# Altium PCB GBA_V1.PcbDoc (part 3 of 4) (continued)
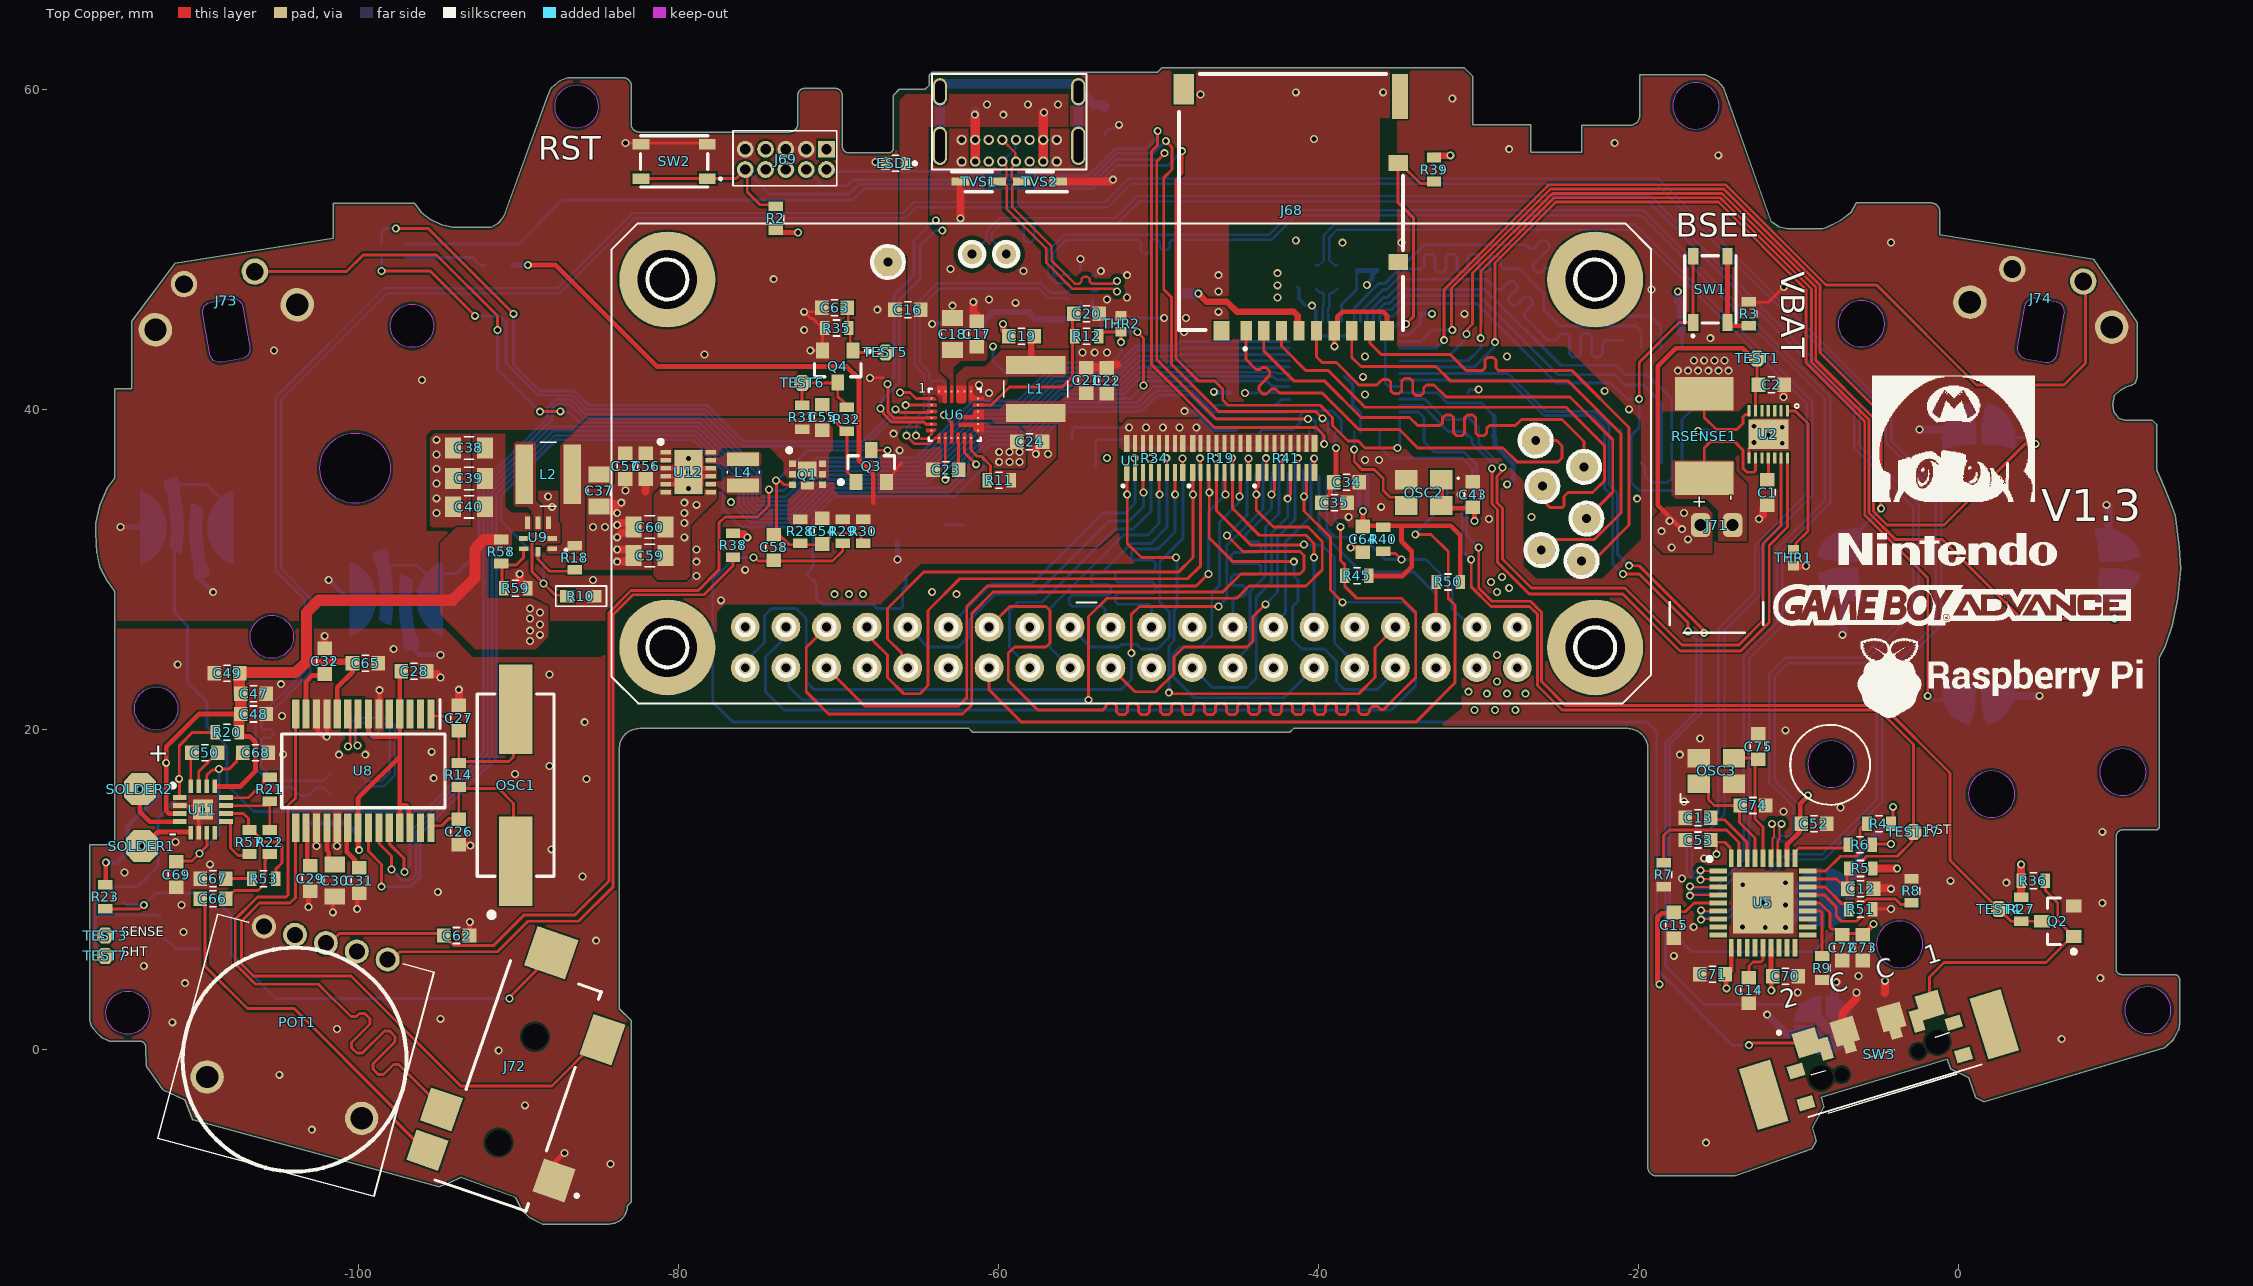
[diagram p0: Top Copper view]
## Nets (pads, with @x,y where several pads share a name; then routed paths per layer and width w, separated by ;. In a path a pad name is that pad's centre, name@x,y a point inside that pad or via, vN(x,y) a via of type N, cw(c..) or ccw(c..) an arc to the next point about the centre after c; other vN are vias at no path point) (continued)
DG_7: FPC1.27 R19.8 U1.35 | length 55.8
  Top Copper w0.18: U1.35@-70.739,26.392 -72.009,25.122 -72.009,22.352 -70.612,20.955 -62.23,20.955 -61.659,21.526 -61.659,27.241 -60.325,28.575 -45.974,28.575 -44.831,29.718 -41.148,29.718 -40.894,29.972 -40.894,30.861 -41.148,31.115 -44.704,31.115 v2(-45.707,32.118) ; v2(-44.366,36.923) -44.359,36.916 -44.359,36.068 R19.8@-44.351,36.06
  Bottom Copper w0.18: v2(-45.707,32.118) -44.446,33.378 -44.446,36.756 -44.366,36.836 v2(-44.366,36.923)
DR_0: FPC1.28 R41.1 U1.38 | length 51.8
  Top Copper w0.18: v2(-54.356,21.844) -54.356,27.051 -53.213,28.194 -45.085,28.194 -44.323,28.956 -40.767,28.956 -39.751,29.972 -39.751,31.75 -40.64,32.639 -42.799,32.639 -43.876,33.716 -43.876,35.047 -43.737,35.186 R41.1@-43.737,36.06
  Bottom Copper w0.18: U1.38@-73.279,23.852 -73.101,23.674 -73.101,22.682 -72.263,21.844 v2(-54.356,21.844) ; FPC1.28@-43.942,35.936 -43.942,34.824 -43.876,34.758 v2(-43.876,34.671)
DR_1: FPC1.29 R41.2 U1.40 | length 52.7
  Top Copper w0.18: v2(-51.689,24.765) -51.689,27.178 -51.181,27.686 v2(-46.228,27.686) ; v2(-43.274,36.945) -43.249,36.92 -43.249,36.072 R41.2@-43.237,36.06 R41.2@-43.225,36.048
  Bottom Copper w0.18: U1.40@-75.819,23.852 -75.819,24.234 -74.618,25.435 -74.618,27.109 -74.168,27.559 -72.644,27.559 -72.009,26.924 -72.009,22.987 -71.501,22.479 -52.324,22.479 -51.689,23.114 v2(-51.689,24.765) ; v2(-46.228,27.686) -45.72,28.194 -45.72,31.496 -43.446,33.77 FPC1.29@-43.446,35.782 ; FPC1.29@-43.446,35.794 FPC1.29@-43.446,35.782 ; v2(-43.274,36.945) -43.274,36.864 -43.446,36.691 -43.446,35.817 -43.411,35.782 FPC1.29@-43.446,35.782
DR_2: FPC1.30 R41.3 U1.15 | length 18.6
  Top Copper w0.18: v2(-42.926,34.671) -42.926,34.758 -42.737,34.947 R41.3@-42.737,36.036
  Bottom Copper w0.18: U1.15@-45.339,26.392 -45.339,27.356 -45.339,28.134 -45.167,28.306 -44.701,28.306 -44.529,28.478 -44.529,28.822 -44.701,28.994 -45.278,28.994 -45.45,29.166 -45.45,29.51 -45.278,29.682 -43.77,29.682 -43.598,29.854 -43.598,30.198 -43.77,30.37 -45.278,30.37 -45.45,30.542 -45.45,30.886 -45.278,31.058 -43.749,31.058 -43.577,31.23 -43.577,31.574 -43.749,31.746 -44.376,31.746 -44.548,31.918 -44.548,32.161 -43.961,32.748 -42.926,33.783 v2(-42.926,34.671) -42.936,34.681 -42.936,35.784 FPC1.30@-42.946,35.794
DR_3: FPC1.31 R41.4 U1.16 | length 15.3
  Top Copper w0.18: v2(-42.274,36.945) -42.249,36.92 -42.249,36.072 R41.4@-42.237,36.06 R41.4@-42.225,36.048
  Bottom Copper w0.18: U1.16@-45.339,23.852 -45.339,24.13 -44.259,25.21 -44.259,28.639 -43.307,29.591 -43.307,32.639 -42.446,33.5 FPC1.31@-42.446,35.794 -42.446,36.691 -42.274,36.864 v2(-42.274,36.945)
DR_4: FPC1.32 R41.5 U1.18 | length 20.1
  Top Copper w0.18: v2(-41.91,34.417) -41.91,34.504 -41.737,34.677 -41.737,36.036 R41.5@-41.725,36.048
  Bottom Copper w0.18: U1.18@-47.879,23.852 -46.633,22.606 -44.45,22.606 -43.879,23.177 -43.879,28.257 -42.926,29.21 -42.926,32.258 -41.91,33.274 v2(-41.91,34.417) FPC1.32@-41.91,36.013
DR_5: FPC1.33 R41.6 U1.22 | length 25
  Top Copper w0.18: U1.22@-52.959,23.852 -51.459,22.352 -50.165,22.352 -49.022,23.495 -49.022,24.511 -48.387,25.146 -44.45,25.146 -44.069,25.527 -44.069,27.051 v2(-43.307,27.813) ; v2(-41.274,36.945) -41.249,36.92 -41.249,36.072 R41.6@-41.237,36.06 R41.6@-41.225,36.048
  Bottom Copper w0.18: v2(-43.307,27.813) -42.545,28.575 -42.545,32.004 -41.446,33.103 -41.446,35.782 -41.411,35.782 -41.446,35.817 -41.446,36.691 -41.274,36.864 v2(-41.274,36.945)
DR_6: FPC1.34 R41.7 U1.37 | length 66.5
  Top Copper w0.18: R41.7@-40.725,36.048 -40.737,36.036 -40.737,34.788 -40.894,34.631 v2(-40.894,34.544) -40.894,33.655 -39.243,32.004 -39.243,28.702 v2(-38.481,27.94)
  Bottom Copper w0.18: U1.37@-73.279,26.392 -73.589,26.082 -73.589,25.471 -74.549,24.511 -74.549,22.352 -73.406,21.209 -35.433,21.209 -33.909,22.733 -33.909,27.178 -34.671,27.94 v2(-38.481,27.94) ; FPC1.34@-40.946,36.212 -40.92,36.186 -40.92,34.57 v2(-40.894,34.544)
DR_7: FPC1.35 R41.8 U1.13 | length 12.5
  Top Copper w0.18: v2(-40.252,36.923) -40.245,36.916 -40.245,36.068 R41.8@-40.237,36.06
  Bottom Copper w0.18: U1.13@-42.799,26.392 -42.799,26.523 -42.037,27.285 -42.037,31.75 -40.446,33.341 FPC1.35@-40.446,35.794 -40.411,35.794 -40.446,35.829 -40.446,36.67 -40.252,36.864 v2(-40.252,36.923)
DR_DAC_N: R16.2 U8.8 | length 12.4
  Top Copper w0.15: U8.8@-100.17,20.799 -100.17,20.046 -100.18,20.036 -100.18,19.46 -100.18,19.117 v1(-100.048,18.985)
  Bottom Copper w0.15: v1(-100.048,18.985) -100.048,19.079 -100.217,19.248 -100.217,20.156 -99.99,20.383 -99.953,20.383 -99.374,20.383 -99.248,20.257 -99.248,19.527 -99.122,19.401 -98.87,19.401 -98.744,19.527 -98.744,20.257 -98.618,20.383 -98.361,20.383 -98.298,20.32 -98.044,20.066 -98.044,17.272 -98.553,16.763 -99.525,16.763 -99.613,16.851 -99.613,16.908 -99.938,17.233 R16.2@-99.988,17.233
DR_DAC_P: R17.2 U8.9 | length 12.7
  Top Copper w0.15: U8.9@-100.67,21.076 U8.9@-100.606,21.013 ; v1(-100.658,18.923) -100.51,19.071 -100.51,19.824 -100.51,20.036 -100.52,20.046 U8.9@-100.52,20.936
  Bottom Copper w0.15: v1(-100.658,18.923) -100.658,19.018 -100.547,19.129 -100.547,20.293 -100.51,20.33 -100.127,20.713 -98.224,20.713 -97.714,20.203 -97.714,17.135 -98.416,16.433 -99.525,16.433 -99.613,16.345 -99.613,16.288 -99.938,15.963 R17.2@-99.988,15.963
ENBST: R13.2 U3.34 U6.8 U7.9 | length 35
  Top Copper w0.18: U6.8@-63.315,38.214 -63.315,35.622 v1(-63.313,35.62) ; v2(-51.308,44.831) -50.917,44.44 -50.917,41.508 v2(-50.926,41.499)
  Bottom Copper w0.18: v1(-63.313,35.62) -63.295,35.638 -63.295,36.14 -60.812,38.623 -58.027,38.623 -55.962,40.688 -51.738,40.688 v2(-50.926,41.499) ; U7.9@-54.123,46.875 -54.123,46.03 -53.813,45.72 -53.809,45.72 -53.594,45.505 -53.594,45.085 -53.415,44.906 -52.12,44.906 -52.045,44.831 v2(-51.308,44.831) ; v2@-50.916,41.529 -50.662,41.783 -43.217,41.783 -42.871,41.437 U3.34@-41.804,41.437
GPIO_2: FPC1.37 R40.1 U1.3 | length 17.4
  Top Copper w0.18: R40.1@-36.048,30.988 -35.179,30.988 v2(-34.798,30.607)
  Bottom Copper w0.18: FPC1.37@-39.446,35.794 -39.446,32.512 -38.938,32.004 -37.211,32.004 -35.814,30.607 v2(-34.798,30.607) -33.274,30.607 -31.623,28.956 -31.623,27.559 -30.456,26.392 U1.3@-30.099,26.392
GPIO_3: FPC1.36 R50.1 U1.5 | length 17.3
  Top Copper w0.18: R50.1@-32.759,29.242 -32.639,29.122 U1.5@-32.639,26.392
  Bottom Copper w0.18: FPC1.36@-39.946,35.794 -39.946,32.453 -37.338,29.845 -34.037,29.845 -32.639,28.447 U1.5@-32.639,26.392
GPIO_STH: C63.1 Q4.1 R35.2 TEST5.1 U3.32 | length 59
  Top Copper w0.18: C63.1@-69.381,46.355 -69.381,45.212 -69.254,45.085 -69.254,43.854 Q4.1@-69.088,43.688 -68.961,43.561 v1(-67.056,43.561)
  Signal Layer 1 w0.18: v1(-76.715,34.195) -76.747,34.227 -76.747,35.013 -68.199,43.561 v1(-67.056,43.561)
  Bottom Copper w0.18: v1(-76.715,34.195) -76.715,34.131 -75.493,32.909 -72.63,32.909 -70.455,35.084 -63.189,35.084 -62.23,36.043 -62.23,36.823 -60.7,38.353 -57.915,38.353 -55.85,40.418 -51.347,40.418 -50.331,41.434 -47.784,41.434 -46.609,40.259 -42.665,40.259 -42.297,40.627 -41.814,40.627 U3.32@-41.804,40.637
INOKB: L3.4 U6.2 | length 42.7
  Top Copper w0.18: v1(-98.552,48.641) -95.504,48.641 v1(-92.71,45.847) ; v1(-65.786,40.259) -65.774,40.271 U6.2@-64.172,40.271
  Bottom Copper w0.18: v1(-98.552,48.641) -98.54,48.653 L3.4@-98.54,49.486 ; v1(-92.71,45.847) -91.186,45.847 -90.764,45.425 -90.764,42.884 -88.765,40.885 -86.606,40.885 -85.711,39.99 -78.337,39.99 -76.058,37.711 -68.333,37.711 -66.674,39.37 -66.04,39.37 -65.786,39.624 v1(-65.786,40.259)
L_AUDIO_AMP: C66.2 J72.4 | length 23.3
  Top Copper w0.18: C66.2@-109.943,9.398 C66.2@-109.893,9.398 -109.583,9.088 -109.583,5.189 -106.934,2.54 -104.013,2.54 -97.79,-3.683 -97.79,-4.376 J72.4@-95.855,-6.311
LED+: C42.1 D1.1 FPC1.3 FPC1.4 TEST2.1 | length 1.1
  Bottom Copper w0.18: -63.373,32.766 TEST2.1@-62.23,32.766
LED-: FPC1.1 FPC1.2 R42.2 U10.3
LED_ST: L3.1 U3.14 | length 82.8
  Top Copper w0.18: v2(-48.514,56.134) -48.514,54.737 -48.895,54.356 -48.895,43.18 -47.498,41.783 -46.482,41.783 -45.974,41.275 -45.974,40.591 -45.642,40.259 -39.878,40.259 -39.116,39.497 -39.116,38.989 -38.14,38.013 -37.505,38.013 -37.084,37.592 v2(-35.052,37.592)
  Bottom Copper w0.18: L3.1@-97.04,50.336 -89.999,50.336 -87.503,52.832 -87.249,53.086 -69.088,53.086 -68.374,53.8 -54.048,53.8 -52.603,55.245 -49.403,55.245 v2(-48.514,56.134) ; v2(-35.052,37.592) -35.052,37.679 -34.904,37.827 U3.14@-34.904,39.437
MUTE: U3.35 U8.22 | length 90.7
  Top Copper w0.18: U8.22@-99.37,13.976 U8.22@-99.37,13.849 -99.37,12.375 -98.552,11.557 v1(-98.552,10.16)
  Bottom Copper w0.18: v1(-98.552,10.16) -96.774,10.16 -96.137,10.797 -96.137,13.464 -91.376,18.225 -91.376,34.736 -87.742,38.37 -79.009,38.37 -76.2,35.561 -76.2,33.998 -75.381,33.179 -72.742,33.179 -70.567,35.354 -64.463,35.354 -60.924,38.893 -58.138,38.893 -56.073,40.958 -52.128,40.958 -51.033,42.053 -42.815,42.053 -42.599,41.837 U3.35@-41.804,41.837
NetB1_2: B1.2 J70.P1 | length 20.9
  Signal Layer 2 w0.6: J70.P1@-54.996,56.972 J70.P1@-54.996,60.352
  Bottom Copper w0.6: J70.P1@-63.646,56.972 -63.646,60.352 -54.996,60.352 J70.P1@-54.996,60.033 ; J70.P1@-54.996,56.972 J70.P1@-54.996,60.033 ; B1.2@-53.34,58.889 -53.34,58.939 -53.44,59.039 -54.002,59.039 J70.P1@-54.996,60.033
NetC13_1: C13.1 U5.34 | length 3.8
  Top Copper w0.18: C13.1@-15.406,14.351 -14.605,14.351 -13.192,12.938 U5.34@-13.192,11.944
NetC14_1: C14.1 U5.14 | length 2.5
  Top Copper w0.18: C14.1@-13.081,4.533 -13.081,5.207 -12.827,5.461 -12.319,5.461 -12.192,5.588 U5.14@-12.192,6.344
NetC17_2: C17.2 C18.2 U6.22
NetC19_1: C19.1 U6.1 | length 11.3
  Top Copper w0.18: v1(-66.146,41.057) -65.523,41.057 -65.137,40.671 U6.1@-64.172,40.671
  Top Copper w0.4: v2(-59.716,45.339) -59.697,45.32 -59.697,44.952 -59.347,44.602 C19.1@-59.347,44.577
  Signal Layer 1 w0.4: v1(-66.146,41.057) -61.864,45.339 v2(-59.716,45.339)
NetC19_2: C19.2 L1.1 U6.20 U6.21 | length 1.9
  Top Copper w0.4: C19.2@-57.951,44.577 -57.951,43.068 L1.1@-57.658,42.775
NetC26_1: C26.1 OSC1.1 R14.1 U8.28 | length 11
  Top Copper w0.18: U8.28@-95.47,13.976 -94.785,13.976 -94.322,14.439 -93.726,14.439 -93.726,16.295 -91.225,16.295 -90.297,15.367 OSC1.1@-90.297,11.938
NetC27_1: C27.1 OSC1.2 R14.2 U8.1 | length 10.9
  Top Copper w0.18: U8.1@-95.47,21.076 -95.47,20.963 -95.335,20.828 -94.653,20.828 C27.1@-93.726,19.901 -93.726,19.851 -93.726,17.995 -90.59,17.995 -90.297,18.288 OSC1.2@-90.297,21.438
NetC29_2: C29.2 U8.16 | length 2.7
  Top Copper w0.3: U8.16@-103.27,13.976 -103.197,13.903 -103.197,11.591 C29.2@-103.124,11.518 ; C29.2@-102.997,11.645 C29.2@-102.87,11.518
NetC30_1: C30.1 U8.18 | length 2.8
  Top Copper w0.3: U8.18@-101.97,13.976 -101.97,12.435 -101.854,12.319 -101.854,11.845 C30.1@-101.6,11.591 ; C30.1@-101.387,11.805 C30.1@-101.173,11.591
NetC31_2: C31.2 U8.20 | length 3
  Top Copper w0.3: U8.20@-100.67,13.976 -100.73,13.916 -100.73,12.338 -100.199,11.807 -100.199,11.691 -99.899,11.391 C31.2@-99.822,11.391
NetC32_2: C32.2 U8.13 | length 3
  Top Copper w0.3: U8.13@-103.27,21.076 -103.27,22.968 -102.87,23.368 -102.401,23.368 C32.2@-102.362,23.407
NetC50_1: C50.1 U11.16 | length 2.1
  Top Copper w0.18: U11.16@-110.478,16.436 -110.478,18.515 C50.1@-110.451,18.542
NetC50_2: C50.2 U11.15 | length 2.6
  Top Copper w0.18: U11.15@-109.978,16.436 -109.978,17.365 C50.2@-108.801,18.542 C50.2@-108.751,18.542
NetC54_1: C54.1 C58.2 Q1.3 Q3.3 R28.1 R30.1 | length 20
  Top Copper w0.18: C58.2@-74.041,32.219 C58.2@-73.895,32.366 ; v1(-73.901,35.547) -73.84,35.486 -73.586,35.486 -73.391,35.291 Q1.3@-72.881,35.291 ; v1@-73.874,35.481 -73.874,32.436 -73.895,32.416 C58.2@-73.895,32.366 ; R30.1@-68.453,31.535 -68.58,31.662 -68.58,32.153 -68.685,32.258 -70.32,32.258 C54.1@-70.993,31.585 -70.993,31.535 -72.39,31.535 -73.064,31.535 C58.2@-73.895,32.366 ; Q3.3@-67.945,37.449 -67.834,37.338 -67.731,37.441 v1(-66.929,37.441)
  Bottom Copper w0.18: v1(-73.901,35.547) -73.825,35.547 -71.931,37.441 v1(-66.929,37.441)
NetC55_2: C55.2 Q3.1 R32.2 | length 5.7
  Top Copper w0.18: C55.2@-70.993,40.347 -70.709,40.063 -70.709,39.76 -69.829,38.88 -69.779,38.88 R32.2@-69.469,38.57 ; R32.2@-69.469,38.52 R32.2@-69.469,38.57 ; Q3.1@-69.149,35.449 -69.149,35.803 -69.469,36.123 R32.2@-69.469,38.57
NetC66_1: C66.1 R22.2 | length 4.7
  Top Copper w0.18: C66.1@-108.243,9.423 -108.243,9.473 -107.958,9.758 -107.908,9.758 -107.744,9.922 -106.284,9.922 -105.847,10.359 -105.847,11.794 R22.2@-105.537,12.104
NetC67_1: C67.1 R53.2 | length 1.5
  Top Copper w0.18: C67.1@-108.243,10.668 R53.2@-106.768,10.668
NetC68_1: C68.1 C69.1 U11.7 U11.14 | length 12.5
  Top Copper w0.18: C69.1@-111.379,11.772 -110.402,11.772 v2(-109.938,12.236) -109.474,12.7 -109.474,13.532 U11.7@-109.478,13.536 ; U11.14@-109.478,16.436 -109.478,17.141 -109.154,17.465 -108.773,17.465 v2(-108.712,17.526) -108.077,17.526 -107.604,17.999 -107.604,18.232 -107.294,18.542 C68.1@-107.276,18.542
  Bottom Copper w0.18: v2(-109.938,12.236) -108.712,13.462 v2(-108.712,17.526)
NetD1_2: D1.2 L5.2 U10.1
NetL2_2: L2.2 U9.4
NetL3_3: L3.3 R44.1 | length 5.2
  Bottom Copper w0.18: L3.3@-97.04,49.486 -92.881,49.486 -92.396,49.001 -92.036,49.001 R44.1@-92.036,49.022
NetL4_1: L4.1 U12.11
NetL4_2: L4.2 U12.8
NetOSC2_3: OSC2.3 U3.20 | length 6.7
  Top Copper w0.18: v2(-37.754,37.5) -37.754,36.738 -37.246,36.23 -36.484,36.23 -35.941,35.687 -35.941,34.925 -35.524,34.508 -35.011,34.508 OSC2.3@-34.501,33.998
  Bottom Copper w0.18: v2(-37.754,37.5) U3.20@-37.754,38.587
NetPOT1_1: POT1.1 R38.2 | length 42.4
  Top Copper w0.18: POT1.1@-98.17,5.603 -97.897,5.603 -97.405,6.096 -91.313,6.096 -89.408,8.001 -86.233,8.001 -84.074,10.16 -84.074,27.178 -82.84,28.412 -78.395,28.412 -76.581,30.226 R38.2@-76.581,30.873
NetQ4_3: Q4.3 R31.1 R32.1 TEST6.1 | length 5.4
  Top Copper w0.18: R31.1@-72.263,40.181 TEST6.1@-72.263,41.656 -70.038,41.656 -70.038,40.789 -69.829,40.58 -69.779,40.58 -69.469,40.27 R32.1@-69.469,40.22
NetR3_2: R3.2 SW1.3 SW1.4 | length 5.3
  Top Copper w0.3: SW1.4@-14.419,49.065 -14.419,45.223 R3.2@-12.955,45.223
NetR4_1: R4.1 U5.27 | length 5.7
  Top Copper w0.18: U5.27@-9.392,11.144 -8.287,11.144 -7.366,12.065 -6.349,12.065 -6.132,12.283 -6.132,13.787 -5.822,14.097 R4.1@-5.803,14.097
NetR6_1: R6.1 U5.28 | length 3.7
  Top Copper w0.18: U5.28@-10.192,11.944 -10.192,12.344 -9.963,12.573 R6.1@-6.946,12.573
NetR7_1: R7.1 U5.35 | length 7.8
  Top Copper w0.18: R7.1@-18.415,11.772 -18.415,13.357 -18.056,13.716 -14.478,13.716 -13.692,12.93 U5.35@-13.692,11.944
NetR8_2: R8.2 U5.24 | length 8.6
  Top Copper w0.18: U5.24@-9.392,9.644 -8.374,9.644 -7.62,8.89 -7.62,8.332 -7.289,8.001 -6.35,8.001 -6.096,8.255 -6.096,9.018 -5.716,9.398 -3.937,9.398 -3.595,9.056 R8.2@-2.921,9.056
NetR9_2: R9.2 U5.22 | length 3.5
  Top Copper w0.18: U5.22@-9.392,8.644 -8.614,8.644 -8.509,8.539 R9.2@-8.509,5.93
NetR11_2: R11.2 U6.12 | length 3.4
  Top Copper w0.18: U6.12@-61.715,38.214 -61.715,37.458 -61.323,37.066 -61.069,37.066 -60.493,36.49 -60.493,35.861 R11.2@-60.794,35.56
NetR18_1: R18.1 U9.8 | length 3.1
  Top Copper w0.18: U9.8@-88.773,31.104 -88.773,30.607 -88.05,29.884 R18.1@-86.487,29.884
NetR21_1: R21.1 R22.1 U11.11 | length 4.2
  Top Copper w0.18: U11.11@-108.04,15.224 -105.719,15.224 -105.537,15.406 R22.1@-105.537,13.804
NetR21_2: R21.2 U11.12 | length 3.1
  Top Copper w0.18: U11.12@-108.04,15.724 -106.869,15.724 -105.537,17.056 R21.2@-105.537,17.106
NetR51_2: R51.2 U5.25 | length 3.2
  Top Copper w0.18: U5.25@-9.392,10.144 -8.327,10.144 -7.282,9.099 -7.056,9.099 -6.946,8.989 R51.2@-6.946,8.763
NetR53_1: R53.1 R57.1 U11.10 | length 6.8
  Top Copper w0.18: U11.10@-108.278,14.736 -107.192,14.736 -106.875,14.419 -106.875,13.949 -105.88,12.954 -105.029,12.954 -104.775,12.7 -104.775,11.647 -105.139,11.283 -105.139,10.697 R53.1@-105.168,10.668
NetR57_2: R57.2 U11.9 | length 3.3
  Top Copper w0.18: U11.9@-108.278,14.236 -108.063,14.236 -108.003,14.176 -108.003,12.573 -107.534,12.104 R57.2@-106.807,12.104
NetR58_1: R58.1 R59.2 U9.7 | length 3.6
  Top Copper w0.18: R59.2@-91.02,28.829 -91.02,30.226 -91.059,30.265 -90.131,30.265 -89.673,30.723 U9.7@-89.673,31.284
NetSOLDER1_1: SOLDER1.1 U11.5 | length 3.4
  Top Copper w0.3: v1(-113.538,12.7) -113.428,12.7 -112.539,13.589 U11.5@-110.478,13.589
NetSOLDER2_1: SOLDER2.1 U11.4 | length 4.4
  Top Copper w0.3: v1(-113.665,16.256) -113.665,14.859 -113.03,14.224 U11.4@-110.94,14.224
NetTHR1_1: THR1.1 U2.1 | length 9.8
  Top Copper w0.18: U2.1@-10.668,39.907 -10.189,39.907 -9.398,39.116 -9.398,32.385 -10.134,31.649 -10.134,31.387 THR1.1@-10.287,31.234
ON_OFF_RPI: R10.2 U3.30 U9.6 | length 70.9
  Top Copper w0.18: U9.6@-89.673,31.934 -89.616,31.877 -89.306,31.877 -89.149,31.72 -89.149,30.485 -89.154,30.48 -89.154,29.845 v2@-88.501,29.192 ; v2(-88.42,29.111) -87.686,28.377 -87.266,28.377 R10.2@-86.956,28.067
  Bottom Copper w0.18: v2(-88.42,29.111) -88.42,30.375 -91.073,33.028 -91.073,34.657 -87.63,38.1 -79.121,38.1 -77.216,36.195 -77.216,33.782 -76.073,32.639 -72.518,32.639 -70.343,34.814 -63.077,34.814 -61.848,36.043 -61.848,36.824 -60.588,38.083 -57.803,38.083 -55.738,40.148 -51.166,40.148 -50.15,41.164 -47.896,41.164 -46.569,39.837 U3.30@-41.804,39.837
OSC_IN_24: C74.1 OSC3.1 U5.33 | length 7.2
  Top Copper w0.18: OSC3.1@-16.213,16.726 -16.088,16.726 -15.603,16.241 -15.603,15.603 -15.24,15.24 -13.677,15.24 -13.677,14.185 -12.692,13.2 U5.33@-12.692,11.944
OSC_OUT_24: C75.1 OSC3.3 U5.32 | length 7.8
  Top Copper w0.18: OSC3.3@-14.013,18.199 -12.738,18.199 -12.7,18.161 -12.7,14.404 -12.192,13.896 U5.32@-12.192,11.944
OUT_L: J72.2 U8.14 | length 42.6
  Top Copper w0.18: U8.14@-103.92,20.949 -103.92,15.714 -104.394,15.24 -104.394,9.652 -104.521,9.525 -106.299,9.525 -107.696,8.128 -107.696,5.328 -106.432,4.064 -102.489,4.064 -102.235,3.81 -102.171,3.746 -100.47,2.045 -100.137,2.045 -99.94,2.242 -99.607,2.242 -99.274,1.909 -99.274,1.576 -100.423,0.427 -100.423,0.094 -100.09,-0.239 -99.757,-0.239 -98.376,1.141 -98.043,1.141 -97.71,0.808 -97.71,0.475 -99.091,-0.905 -99.091,-1.238 -98.758,-1.571 -98.425,-1.571 -97.806,-0.952 -97.473,-0.952 -97.409,-1.016 -94.932,-3.493 J72.2@-94.932,-3.774
OUT_R: J72.3 U8.15 | length 37.8
  Top Copper w0.18: U8.15@-103.92,13.849 -103.92,9.491 -104.267,9.144 -106.172,9.144 -107.315,8.001 -107.315,5.334 -106.553,4.572 -100.457,4.572 -93.599,-2.286 -87.896,-2.286 -85.201,0.409 J72.3@-84.789,0.409
PIN_4: Q2.1 R36.1 SW3.4 | length 17.1
  Top Copper w0.18: SW3.4@-2.54,1.524 SW3.4@-1.792,2.272 ; SW3.4@-1.788,2.748 -1.788,4.526 -0.891,5.423 5.495,5.423 Q2.1@7.123,7.051 ; R36.1@5.449,10.541 5.449,9.918 6.223,9.144 6.223,8.051 6.813,7.461 6.813,7.361 Q2.1@7.123,7.051 ; Q2.1@7.223,7.051 Q2.1@7.123,7.051
Pin_Sense: C51.1 Q5.1 R24.1 TEST3.1 | length 6.6
  Bottom Copper w0.18: v2(-115.824,7.112) -115.737,7.112 -115.554,7.295 -114.699,7.295 -114.522,7.473 -114.504,7.455 -113.627,7.455 -113.411,7.239 -112.437,7.239 -111.847,6.649 -111.747,6.649 -111.437,6.339 Q5.1@-111.437,6.239 -111.414,6.262 C51.1@-109.982,6.262
POST_DR_DAC_N: R16.1 U5.6 | length 186.2
  Top Copper w0.14: v2(-16.072,8.689) -16.027,8.644 U5.6@-14.992,8.644
  Bottom Copper w0.15: R16.1@-101.738,17.233 -102.196,16.775 -105.167,16.775 -106.075,17.683 -106.075,17.77 -106.075,18.349 -105.949,18.475 -105.361,18.475 -105.235,18.601 -105.235,18.853 -105.361,18.979 -105.949,18.979 -106.075,19.105 -106.075,19.357 -105.949,19.483 -105.477,19.483 -105.351,19.609 -105.351,19.861 -105.477,19.987 -105.949,19.987 -106.075,20.113 -106.075,20.458 -106.032,20.501 -103.018,23.516 -103.018,28.215 -104.826,30.023 -104.826,40.63 -98.212,47.244 -87.417,47.244 -82.718,51.943 -65.827,51.943 -65.141,52.629 -53.162,52.629 -51.689,54.102 -18.882,54.102 -4.521,39.741 -4.521,37.922 -1.397,34.798 -1.397,26.629 -5.08,22.946 -5.08,15.621 -8.509,12.192 -10.795,12.192 -14.428,8.559 -15.848,8.559 -15.978,8.689 v2(-16.072,8.689)
POST_DR_DAC_P: R15.2 R17.1 U5.7 | length 186.4
  Top Copper w0.14: v2(-16.072,8.099) -16.027,8.144 U5.7@-14.992,8.144
  Bottom Copper w0.15: R15.2@-103.378,15.736 R15.2@-103.378,15.886 ; R17.1@-101.738,15.963 -102.115,16.34 -102.642,16.34 -103.003,15.979 -103.003,15.961 -103.078,15.886 R15.2@-103.378,15.886 ; v2(-16.072,8.099) -15.978,8.099 -15.848,8.229 -14.291,8.229 -10.658,11.862 -8.372,11.862 -4.75,15.484 -4.75,22.809 -1.067,26.492 -1.067,34.935 -4.191,38.059 -4.191,39.878 -18.745,54.432 -51.826,54.432 -53.299,52.959 -65.278,52.959 -65.964,52.273 -82.855,52.273 -87.554,47.574 -98.349,47.574 -105.156,40.767 -105.156,29.886 -103.348,28.078 -103.348,23.652 -106.405,20.595 -106.405,17.547 -105.242,16.383 -104.175,16.383 -104.087,16.295 -103.678,15.886 R15.2@-103.378,15.886
PVL: C20.1 R12.2 U6.17 | length 10.5
  Top Copper w0.18: U6.17@-61.258,40.271 -60.44,40.271 -59.309,41.402 -56.007,41.402 -55.372,42.037 C20.1@-55.372,45.959
QSPI_CLK: U3.52 U4.6 | length 29
  Bottom Copper w0.18: U3.52@-37.354,45.487 -37.354,46.085 -35.957,47.482 -35.736,47.482 -34.45,48.768 -33.655,48.768 -33.565,48.768 -33.393,48.94 -33.393,49.524 -33.221,49.696 -32.877,49.696 -32.705,49.524 -32.705,48.773 -32.533,48.601 -32.189,48.601 -32.017,48.773 -32.017,49.524 -31.845,49.696 -31.501,49.696 -31.329,49.524 -31.329,48.773 -31.157,48.601 -30.813,48.601 -30.641,48.773 -30.641,49.524 -30.469,49.696 -30.125,49.696 -29.953,49.524 -29.953,48.773 -29.781,48.601 -29.437,48.601 -29.265,48.773 -29.265,49.382 -29.093,49.554 -28.749,49.554 -28.577,49.382 -28.577,48.94 -28.405,48.768 -27.432,48.768 -27.178,48.514 -25.908,47.244 -25.908,46.228 -24.892,45.212 -20.122,45.212 -19.812,44.902 U4.6@-19.812,43.859
QSPI_SD0: U3.53 U4.5 | length 27.3
  Bottom Copper w0.18: U3.53@-36.954,45.487 -36.944,45.497 -36.944,45.987 -35.941,46.99 -35.687,46.99 -34.544,48.133 -29.464,48.133 -28.883,47.552 -28.82,47.489 -28.577,47.489 -28.052,48.013 -27.809,48.013 -27.566,47.77 -27.566,47.527 -28.1,46.992 -28.1,46.749 -27.857,46.505 -27.614,46.505 -27.079,47.04 -26.836,47.04 -26.593,46.797 -26.593,46.554 -27.117,46.029 -27.117,45.786 -26.988,45.657 -26.924,45.593 -25.654,44.323 -25.252,44.323 -25.162,44.323 -24.99,44.495 -24.99,44.558 -24.818,44.73 -24.474,44.73 -24.302,44.558 -24.302,43.454 -24.13,43.282 -23.786,43.282 -23.614,43.454 -23.614,44.558 -23.442,44.73 -23.098,44.73 -22.926,44.558 -22.926,43.454 -22.754,43.282 -22.41,43.282 -22.238,43.454 -22.238,44.151 -22.066,44.323 -21.844,44.323 U4.5@-20.992,44.323
QSPI_SD1: U3.55 U4.2 | length 25
  Bottom Copper w0.18: U3.55@-36.154,45.487 -36.144,45.497 -36.144,45.898 -35.814,46.228 -35.433,46.228 -34.544,47.117 -29.972,47.117 -25.019,42.164 -21.463,42.164 -20.828,41.529 -19.685,41.529 -18.542,40.386 U4.2@-18.542,36.659
QSPI_SD2: U3.54 U4.3 | length 30.4
  Bottom Copper w0.18: U3.54@-36.554,45.487 -36.544,45.497 -36.544,45.91 -35.845,46.609 -35.56,46.609 -34.671,47.498 -29.591,47.498 -24.847,42.754 -21.381,42.754 -20.792,42.164 -19.431,42.164 -17.907,40.64 -17.907,35.687 -18.161,35.433 -19.177,35.433 -19.577,35.833 -19.577,36.424 U4.3@-19.812,36.659
QSPI_SD3: U3.51 U4.7 | length 29
  Bottom Copper w0.18: U3.51@-37.754,45.487 -37.754,46.32 -36.195,47.879 -35.814,47.879 -33.401,50.292 -27.051,50.292 -26.86,50.102 -26.797,50.038 -26.554,50.038 -26.046,50.546 -25.802,50.546 -25.559,50.303 -25.559,50.059 -26.571,49.048 -26.571,48.804 -26.328,48.561 -26.084,48.561 -25.824,48.822 -25.581,48.822 -25.273,48.514 -25.273,47.879 -25.273,46.863 -24.257,45.847 -19.245,45.847 -18.594,45.196 -18.594,43.911 U4.7@-18.542,43.859
QSPI_SS: R1.1 SW1.1 SW1.2 U3.56 U4.1 | length 44.5
  Top Copper w0.18: v1(-19.939,40.64) -19.939,42.926 -17.442,45.423 SW1.1@-16.569,45.423 SW1.2@-16.569,49.065
  Bottom Copper w0.18: U3.56@-35.754,45.487 -35.754,45.812 -35.744,45.822 -35.331,45.822 -34.544,46.609 -30.099,46.609 -25.146,41.656 -21.717,41.656 -20.712,40.651 -19.95,40.651 v1(-19.939,40.64) -19.939,38.862 -20.447,38.354 -20.447,35.433 -19.939,34.925 -17.653,34.925 -17.272,35.306 U4.1@-17.272,36.659 -17.272,39.37 -16.549,40.093 R1.1@-15.367,40.093
R_AUDIO_AMP: J72.5 R23.1 R24.2 | length 34.9
  Top Copper w0.18: R23.1@-115.824,8.775 -113.676,8.775 -113.434,9.017 v1(-113.411,9.017) ; v1(-90.551,3.175) -90.551,3.251 J72.5@-87.898,5.904
  Bottom Copper w0.18: R24.2@-114.621,9.144 -114.494,9.017 v1(-113.411,9.017) -112.649,9.779 -109.347,9.779 -107.95,8.382 -107.95,5.969 -105.156,3.175 v1(-90.551,3.175)
REG: C1.2 U2.11 | length 1.3
  Top Copper w0.18: U2.11@-11.858,36.697 -11.858,35.441 C1.2@-11.811,35.394
RESET_LCD: FPC1.8 R52.1 U3.27 | length 15.9
  Bottom Copper w0.18: FPC1.8@-53.911,36.354 -53.911,37.949 -53.76,38.1 -52.07,38.1 -51.562,37.592 -41.021,37.592 -40.564,38.049 -40.564,38.577 U3.27@-40.554,38.587